# KiCad board kbd1.kicad_pcb
title: left; rev: v1.0.0; company: Unknown
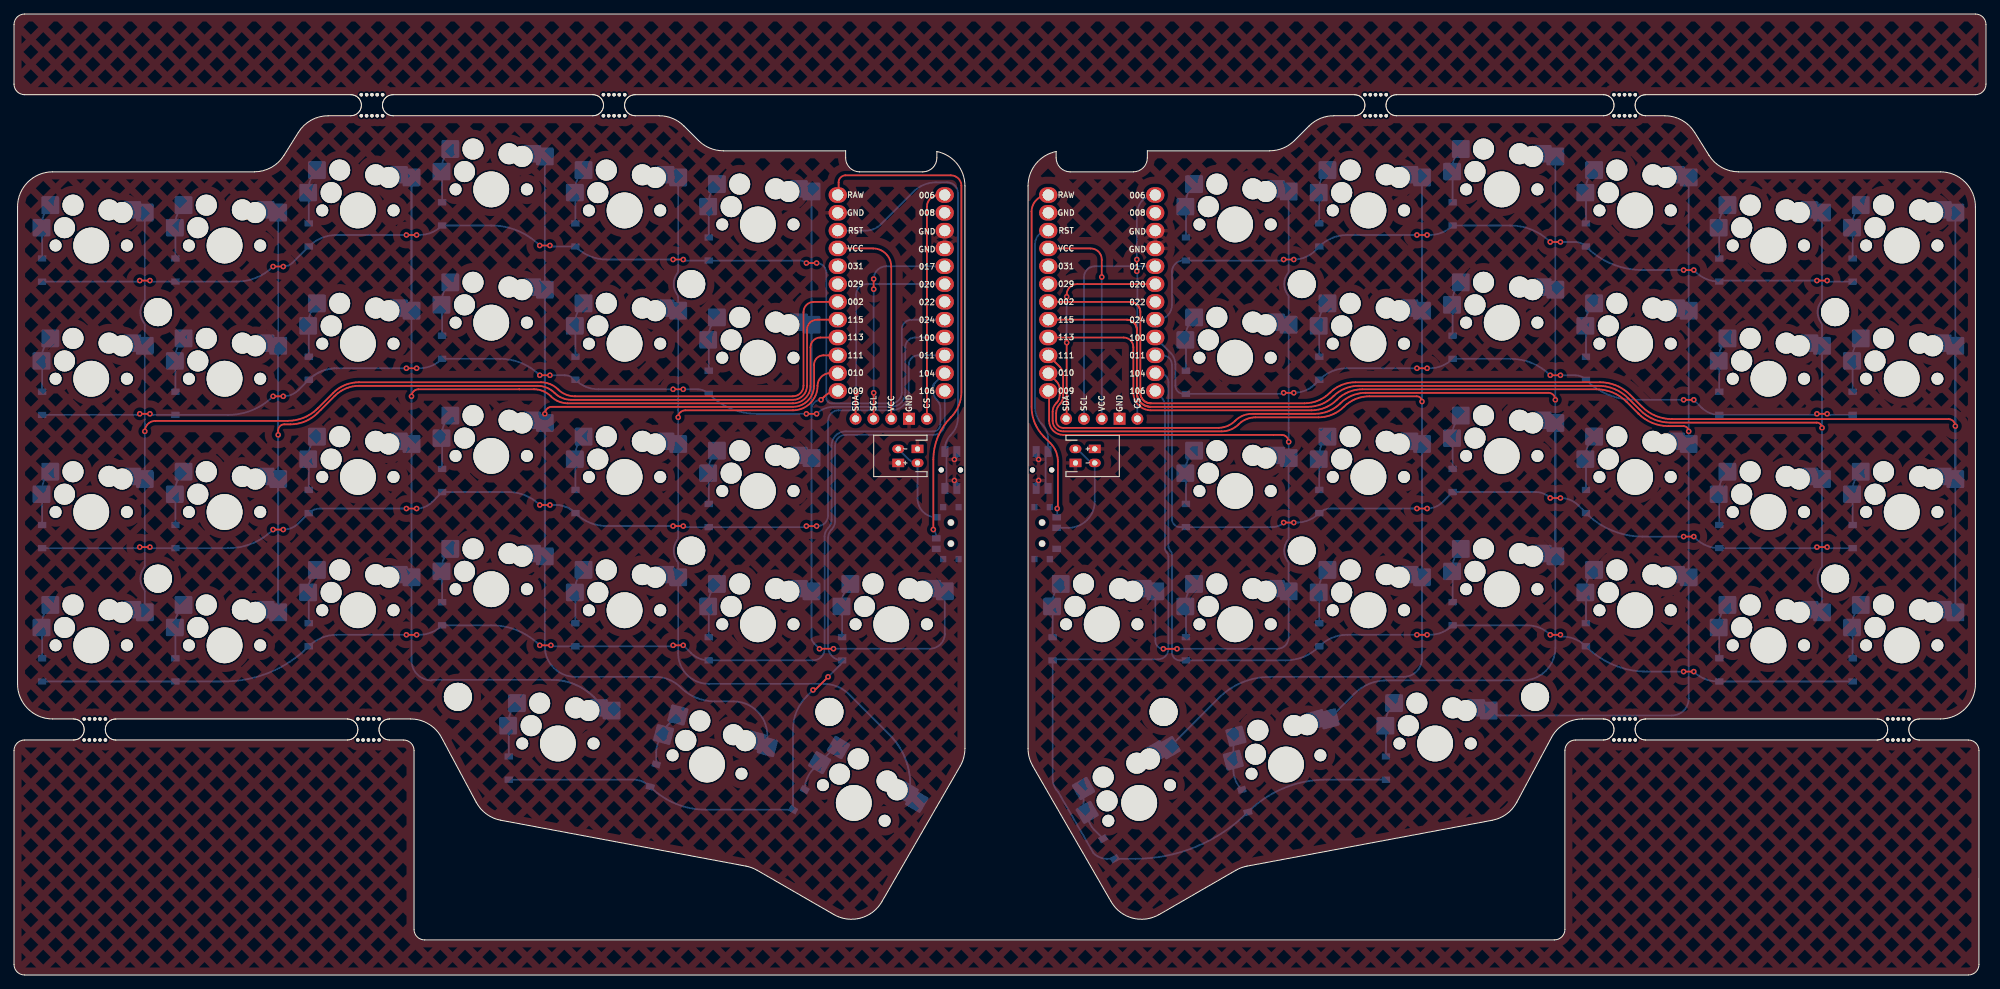
[diagram p0: board, top side]
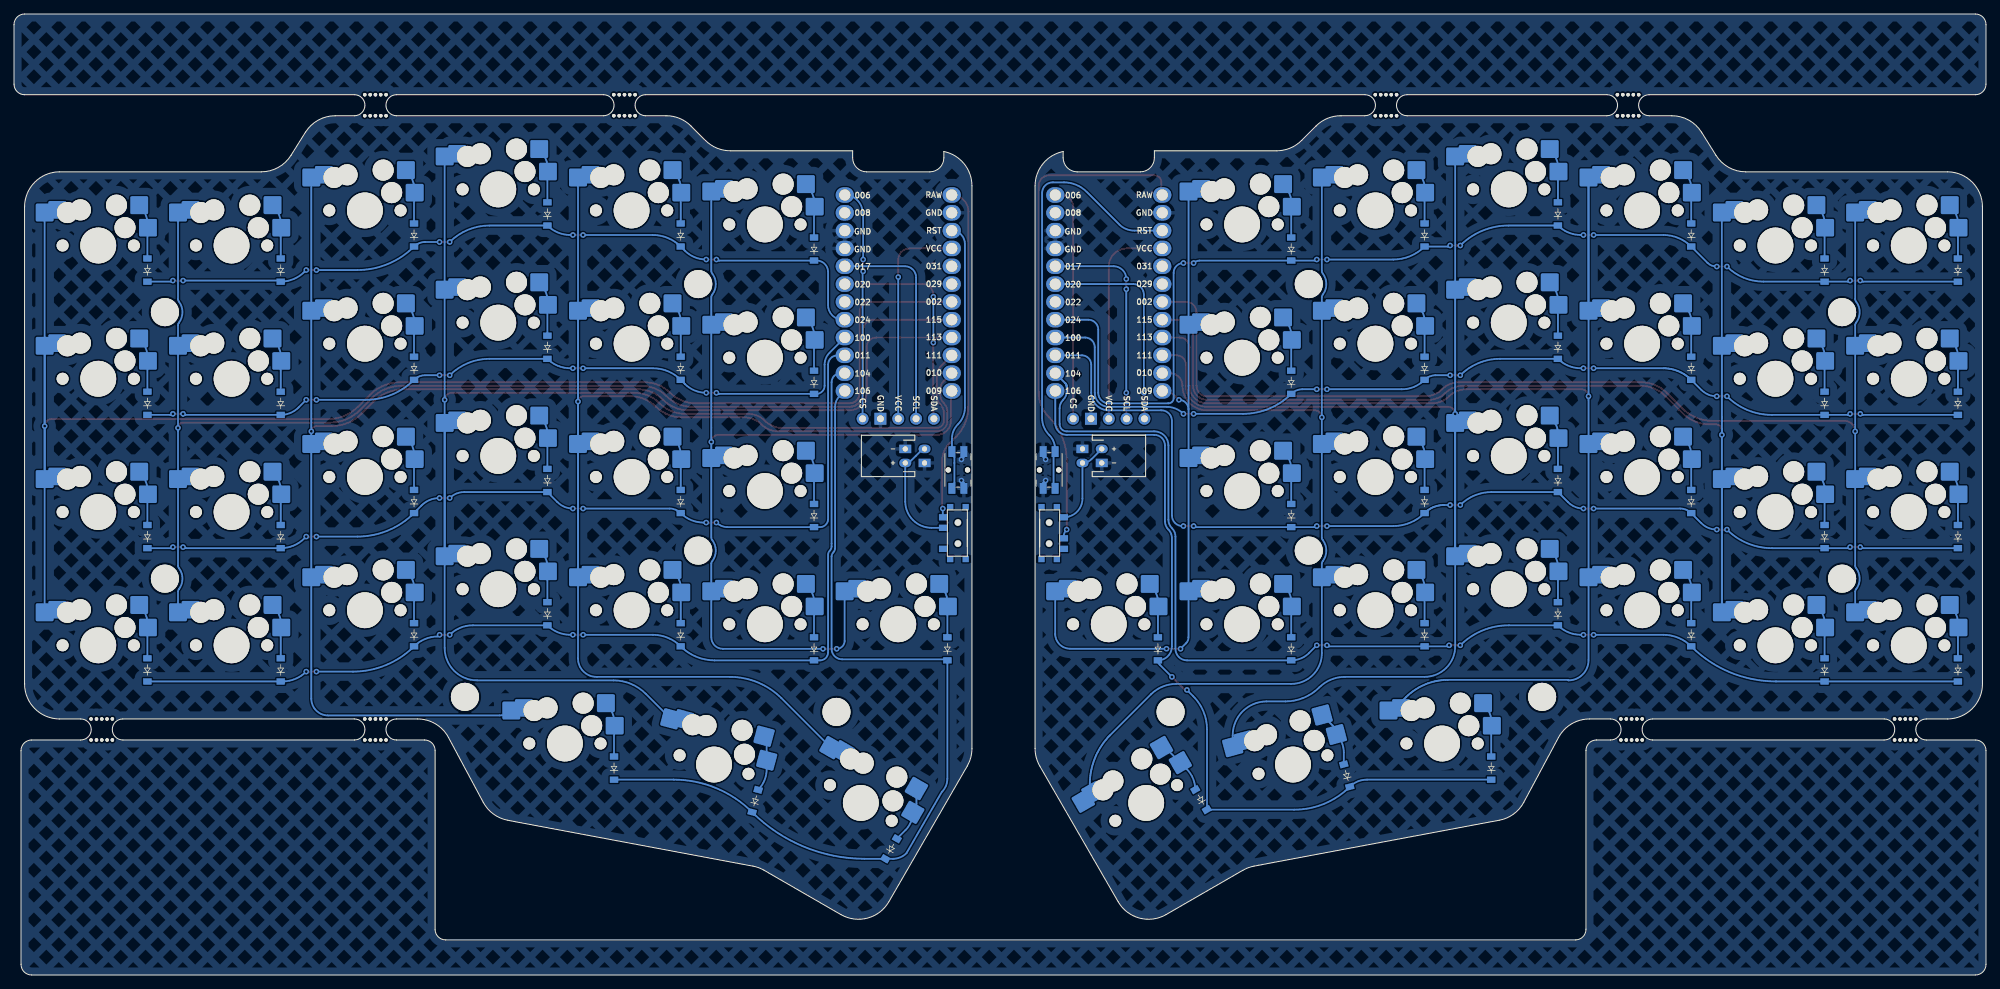
[diagram p1: board, bottom side, seen from below]

Outline 281 x 137 mm; copper layers: Top, Bottom. Coordinates in mm from the lower left corner of the outline.
Outline path: 56.5,36.5 53.5,36.5 arc(52,35) 53.5,33.5 55.5,33.5 arc(56.56,33.06) 57,32 57,6.5 arc(57.44,5.44) 58.5,5 219.5,5 arc(220.56,5.44) 221,6.5 221,32 arc(221.44,33.06) 222.5,33.5 226.5,33.5 arc(228,35) 226.5,36.5 223.49,36.5 arc(220.93,35.79) 219.09,33.86 214.13,24.61 arc(212.68,22.94) 210.64,22.06 175.7,15.52 arc(174.89,15.29) 174.12,14.93 163.17,8.61 arc(159.38,8.11) 156.34,10.44 145.17,29.79 arc(144.67,30.99) 144.5,32.29 144.5,112.5 arc(145.63,115.66) 148.5,117.4 148.5,116.5 arc(149.09,115.09) 150.5,114.5 159.5,114.5 arc(160.91,115.09) 161.5,116.5 161.5,117.5 178.93,117.5 arc(180.84,117.88) 182.46,118.96 184.54,121.04 arc(186.16,122.12) 188.07,122.5 191,122.5 arc(192.5,124) 191,125.5 88.5,125.5 arc(87,124) 88.5,122.5 91.93,122.5 arc(93.84,122.12) 95.46,121.04 97.54,118.96 arc(99.16,117.88) 101.07,117.5 118.5,117.5 118.5,116.5 arc(119.09,115.09) 120.5,114.5 129.5,114.5 arc(130.91,115.09) 131.5,116.5 131.5,117.4 arc(134.37,115.66) 135.5,112.5 135.5,32.29 arc(135.33,30.99) 134.83,29.79 123.66,10.44 arc(120.62,8.11) 116.83,8.61 105.88,14.93 arc(105.11,15.29) 104.3,15.52 69.36,22.06 arc(67.32,22.94) 65.87,24.61 60.91,33.86 arc(59.07,35.79) 56.51,36.5 ; 0,135.5 arc(0.44,136.56) 1.5,137 279.5,137 arc(280.56,136.56) 281,135.5 281,127 arc(280.56,125.94) 279.5,125.5 232.5,125.5 arc(231,124) 232.5,122.5 235.23,122.5 arc(237.65,121.87) 239.47,120.15 241.53,116.85 arc(243.35,115.13) 245.77,114.5 274.5,114.5 arc(278.04,113.04) 279.5,109.5 279.5,41.5 arc(278.04,37.96) 274.5,36.5 271.5,36.5 arc(270,35) 271.5,33.5 278.5,33.5 arc(279.56,33.06) 280,32 280,1.5 arc(279.56,0.44) 278.5,0 1.5,0 arc(0.44,0.44) 0,1.5 0,32 arc(0.44,33.06) 1.5,33.5 8.5,33.5 arc(10,35) 8.5,36.5 5.5,36.5 arc(1.96,37.96) 0.5,41.5 0.5,109.5 arc(1.96,113.04) 5.5,114.5 34.23,114.5 arc(36.65,115.13) 38.47,116.85 40.53,120.15 arc(42.35,121.87) 44.77,122.5 48,122.5 arc(49.5,124) 48,125.5 1.5,125.5 arc(0.44,125.94) 0,127 0,135.5 ; 14.5,36.5 47.5,36.5 arc(49,35) 47.5,33.5 14.5,33.5 arc(13,35) 14.5,36.5 ; 54,122.5 arc(52.5,124) 54,125.5 82.5,125.5 arc(84,124) 82.5,122.5 54,122.5 ; 197,122.5 arc(195.5,124) 197,125.5 226.5,125.5 arc(228,124) 226.5,122.5 197,122.5 ; 232.5,33.5 arc(231,35) 232.5,36.5 265.5,36.5 arc(267,35) 265.5,33.5 232.5,33.5

## Placement (name value [footprint] x y rotation side)
B1  -  [Panasonic_EVQPUL_EVQPUC]  133.5 72 270 top
B2  -  [Panasonic_EVQPUL_EVQPUC]  146.5 72 90 top
D1  -  [ComboDiode]  4 43.5 90 top
D2  -  [ComboDiode]  4 62.5 90 top
D3  -  [ComboDiode]  4 81.5 90 top
D4  -  [ComboDiode]  4 100.5 90 top
D5  -  [ComboDiode]  23 43.5 90 top
D6  -  [ComboDiode]  23 62.5 90 top
D7  -  [ComboDiode]  23 81.5 90 top
D8  -  [ComboDiode]  23 100.5 90 top
D9  -  [ComboDiode]  42 48.5 90 top
D10  -  [ComboDiode]  42 67.5 90 top
D11  -  [ComboDiode]  42 86.5 90 top
D12  -  [ComboDiode]  42 105.5 90 top
D13  -  [ComboDiode]  61 51.5 90 top
D14  -  [ComboDiode]  61 70.5 90 top
D15  -  [ComboDiode]  61 89.5 90 top
D16  -  [ComboDiode]  61 108.5 90 top
D17  -  [ComboDiode]  80 48.5 90 top
D18  -  [ComboDiode]  80 67.5 90 top
D19  -  [ComboDiode]  80 86.5 90 top
D20  -  [ComboDiode]  80 105.5 90 top
D21  -  [ComboDiode]  99 46.5 90 top
D22  -  [ComboDiode]  99 65.5 90 top
D23  -  [ComboDiode]  99 84.5 90 top
D24  -  [ComboDiode]  99 103.5 90 top
D25  -  [ComboDiode]  70.5 29.5 90 top
D26  -  [ComboDiode]  91.08 28.43 75 top
D27  -  [ComboDiode]  111.86 24.99 60 top
D28  -  [ComboDiode]  118 46.5 90 top
D29  -  [ComboDiode]  262 43.5 90 top
D30  -  [ComboDiode]  262 62.5 90 top
D31  -  [ComboDiode]  262 81.5 90 top
D32  -  [ComboDiode]  262 100.5 90 top
D33  -  [ComboDiode]  243 43.5 90 top
D34  -  [ComboDiode]  243 62.5 90 top
D35  -  [ComboDiode]  243 81.5 90 top
D36  -  [ComboDiode]  243 100.5 90 top
D37  -  [ComboDiode]  224 48.5 90 top
D38  -  [ComboDiode]  224 67.5 90 top
D39  -  [ComboDiode]  224 86.5 90 top
D40  -  [ComboDiode]  224 105.5 90 top
D41  -  [ComboDiode]  205 51.5 90 top
D42  -  [ComboDiode]  205 70.5 90 top
D43  -  [ComboDiode]  205 89.5 90 top
D44  -  [ComboDiode]  205 108.5 90 top
D45  -  [ComboDiode]  186 48.5 90 top
D46  -  [ComboDiode]  186 67.5 90 top
D47  -  [ComboDiode]  186 86.5 90 top
D48  -  [ComboDiode]  186 105.5 90 top
D49  -  [ComboDiode]  167 46.5 90 top
D50  -  [ComboDiode]  167 65.5 90 top
D51  -  [ComboDiode]  167 84.5 90 top
D52  -  [ComboDiode]  167 103.5 90 top
D53  -  [ComboDiode]  195.5 29.5 90 top
D54  -  [ComboDiode]  175.39 24.81 105 top
D55  -  [ComboDiode]  156.02 17.99 120 top
D56  -  [ComboDiode]  148 46.5 90 top
JST1  -  [JST_PH_S2B-PH-K_02x2.00mm_Angled]  128.75 74 270 top
JST2  -  [JST_PH_S2B-PH-K_02x2.00mm_Angled#2]  126 74 270 bottom
JST3  -  [JST_PH_S2B-PH-K_02x2.00mm_Angled]  151.25 74 90 top
JST4  -  [JST_PH_S2B-PH-K_02x2.00mm_Angled#2]  154 74 90 bottom
MCU1  -  [nice_nano_low_profile]  125 98.5 0 top
MCU2  -  [nice_nano_low_profile]  155 98.5 0 top
mouse-bite-3mm-slot  VAL**  [mouse-bite-3mm-slot]  268.5 35 0 top
mouse-bite-3mm-slot#2  VAL**  [mouse-bite-3mm-slot]  229.5 124 0 top
mouse-bite-3mm-slot#3  VAL**  [mouse-bite-3mm-slot]  194.01 124 0 top
mouse-bite-3mm-slot#4  VAL**  [mouse-bite-3mm-slot]  51 124 0 top
mouse-bite-3mm-slot#5  VAL**  [mouse-bite-3mm-slot]  50.5 35 0 top
mouse-bite-3mm-slot#6  VAL**  [mouse-bite-3mm-slot]  11.5 35 0 top
mouse-bite-3mm-slot#7  VAL**  [mouse-bite-3mm-slot]  85.5 124 0 top
mouse-bite-3mm-slot#8  VAL**  [mouse-bite-3mm-slot]  229.5 35 0 top
niceView1  niceView  [niceView_headers]  125 78 90 top
niceView2  niceView  [niceView_headers]  155 78 90 top
NOREF  -  [HOLE_M2_TH]  63.25 39.65 0 top
NOREF#2  -  [HOLE_M2_TH]  96.5 98.5 0 top
NOREF#3  -  [HOLE_M2_TH]  183.5 98.5 0 top
NOREF#4  -  [HOLE_M2_TH]  259.5 56.5 0 top
NOREF#5  -  [HOLE_M2_TH]  96.5 60.5 0 top
NOREF#6  -  [HOLE_M2_TH]  216.75 39.65 0 top
NOREF#7  -  [HOLE_M2_TH]  259.5 94.5 0 top
NOREF#8  -  [HOLE_M2_TH]  163.81 37.5 30 top
NOREF#9  -  [HOLE_M2_TH]  20.5 56.5 0 top
NOREF#10  -  [HOLE_M2_TH]  20.5 94.5 0 top
NOREF#11  -  [HOLE_M2_TH]  116.19 37.5 330 top
NOREF#12  -  [HOLE_M2_TH]  183.5 60.5 0 top
S1  -  [KS33-MX-Hotswap]  11 47 0 top
S2  -  [KS33-MX-Hotswap]  11 66 0 top
S3  -  [KS33-MX-Hotswap]  11 85 0 top
S4  -  [KS33-MX-Hotswap]  11 104 0 top
S5  -  [KS33-MX-Hotswap]  30 47 0 top
S6  -  [KS33-MX-Hotswap]  30 66 0 top
S7  -  [KS33-MX-Hotswap]  30 85 0 top
S8  -  [KS33-MX-Hotswap]  30 104 0 top
S9  -  [KS33-MX-Hotswap]  49 52 0 top
S10  -  [KS33-MX-Hotswap]  49 71 0 top
S11  -  [KS33-MX-Hotswap]  49 90 0 top
S12  -  [KS33-MX-Hotswap]  49 109 0 top
S13  -  [KS33-MX-Hotswap]  68 55 0 top
S14  -  [KS33-MX-Hotswap]  68 74 0 top
S15  -  [KS33-MX-Hotswap]  68 93 0 top
S16  -  [KS33-MX-Hotswap]  68 112 0 top
S17  -  [KS33-MX-Hotswap]  87 52 0 top
S18  -  [KS33-MX-Hotswap]  87 71 0 top
S19  -  [KS33-MX-Hotswap]  87 90 0 top
S20  -  [KS33-MX-Hotswap]  87 109 0 top
S21  -  [KS33-MX-Hotswap]  106 50 0 top
S22  -  [KS33-MX-Hotswap]  106 69 0 top
S23  -  [KS33-MX-Hotswap]  106 88 0 top
S24  -  [KS33-MX-Hotswap]  106 107 0 top
S25  -  [KS33-MX-Hotswap]  77.5 33 0 top
S26  -  [KS33-MX-Hotswap]  98.75 30 345 top
S27  -  [KS33-MX-Hotswap]  119.67 24.53 330 top
S28  -  [KS33-MX-Hotswap]  125 50 0 top
S29  -  [KS33-MX-Hotswap]  269 47 0 top
S30  -  [KS33-MX-Hotswap]  269 66 0 top
S31  -  [KS33-MX-Hotswap]  269 85 0 top
S32  -  [KS33-MX-Hotswap]  269 104 0 top
S33  -  [KS33-MX-Hotswap]  250 47 0 top
S34  -  [KS33-MX-Hotswap]  250 66 0 top
S35  -  [KS33-MX-Hotswap]  250 85 0 top
S36  -  [KS33-MX-Hotswap]  250 104 0 top
S37  -  [KS33-MX-Hotswap]  231 52 0 top
S38  -  [KS33-MX-Hotswap]  231 71 0 top
S39  -  [KS33-MX-Hotswap]  231 90 0 top
S40  -  [KS33-MX-Hotswap]  231 109 0 top
S41  -  [KS33-MX-Hotswap]  212 55 0 top
S42  -  [KS33-MX-Hotswap]  212 74 0 top
S43  -  [KS33-MX-Hotswap]  212 93 0 top
S44  -  [KS33-MX-Hotswap]  212 112 0 top
S45  -  [KS33-MX-Hotswap]  193 52 0 top
S46  -  [KS33-MX-Hotswap]  193 71 0 top
S47  -  [KS33-MX-Hotswap]  193 90 0 top
S48  -  [KS33-MX-Hotswap]  193 109 0 top
S49  -  [KS33-MX-Hotswap]  174 50 0 top
S50  -  [KS33-MX-Hotswap]  174 69 0 top
S51  -  [KS33-MX-Hotswap]  174 88 0 top
S52  -  [KS33-MX-Hotswap]  174 107 0 top
S53  -  [KS33-MX-Hotswap]  202.5 33 0 top
S54  -  [KS33-MX-Hotswap]  181.25 30 15 top
S55  -  [KS33-MX-Hotswap]  160.33 24.53 30 top
S56  -  [KS33-MX-Hotswap]  155 50 0 top
T1  -  [SPDT_C128955]  133.5 63 270 top
T2  -  [SPDT_C128955]  146.5 63 90 top

## Footprints (pads in the part's own frame, mm; a bottom-side part is the same pattern mirrored in y, then rotated)
ComboDiode
  rect 0.9x1.2 smd far side: 1(-1.65,0) 2(1.65,0)
HOLE_M2_TH
  round 4 hole 4 unplated: (0,0)
JST_PH_S2B-PH-K_02x2.00mm_Angled
  rect 1.2x1.7 hole 0.75: 1(-1,0)
  oval 1.2x1.7 hole 0.75: 2(1,0)
JST_PH_S2B-PH-K_02x2.00mm_Angled#2
  oval 1.2x1.7 hole 0.75: 1(-1,0)
  rect 1.2x1.7 hole 0.75: 2(1,0)
KS33-MX-Hotswap
  round 1.702 hole 1.702 unplated: (-5.08,0) (5.08,0)
  round 3 hole 3 unplated: (-3.81,2.54) (-2.6,5.75) (2.54,5.08) (4.4,4.7)
  round 5.1 hole 5.1 unplated: (0,0)
  rrect 2.55x2.5 smd far side: 1(5.842,5.08) 2(-7.085,2.54)
  rrect 2.55x2.55 smd far side: 1(7.638,4.7) 2(-5.838,5.75)
mouse-bite-3mm-slot
  round 0.5 hole 0.5 unplated: (-1.512,1.5) (-1.512,-1.5) (-0.762,-1.5) (-0.75,1.5) (0,1.5) (0,-1.5) (0.75,1.5) (0.75,-1.5) (1.524,1.5) (1.524,-1.5)
nice_nano_low_profile
  oval 2.6x2.2 hole 1.6: 1(-7.62,12.7) 2(-7.62,10.16) 3(-7.62,7.62) 4(-7.62,5.08) 5(-7.62,2.54) 6(-7.62,0) 7(-7.62,-2.54) 8(-7.62,-5.08) 9(-7.62,-7.62) 10(-7.62,-10.16) 11(-7.62,-12.7) 12(-7.62,-15.24) 13(7.62,12.7) 14(7.62,10.16) 15(7.62,7.62) 16(7.62,5.08) 17(7.62,2.54) 18(7.62,0) 19(7.62,-2.54) 20(7.62,-5.08) 21(7.62,-7.62) 22(7.62,-10.16) 23(7.62,-12.7) 24(7.62,-15.24)
niceView_headers
  oval 1.7x1.7 hole 1: 1(1.3,-5.08) 3(1.3,0) 4(1.3,2.54) 5(1.3,5.08)
  rect 1.7x1.7 hole 1: 2(1.3,-2.54)
Panasonic_EVQPUL_EVQPUC
  round 0.75 hole 0.75 unplated: (0,1.375) (0,-1.375)
  rect 1.55x1 smd far side: 1(-2.625,0.85) 1(2.625,0.85) 2(-2.625,-0.85) 2(2.625,-0.85)
SPDT_C128955
  rect 0.9x0.9 smd far side: (-3.7,1.1) (-3.7,-1.1) (3.7,1.1) (3.7,-1.1)
  round 1 hole 0.9 unplated: (-1.5,0) (1.5,0)
  rect 0.9x1.25 smd far side: 1(-2.25,-2.075) 2(0.75,-2.075) 3(2.25,-2.075)

## Nets
GND: B1.1 B2.1 JST1.1 JST2.2 JST3.1 JST4.2 MCU1.2 MCU1.15 MCU1.16 MCU2.2 MCU2.15 MCU2.16 niceView1.2 niceView2.2
VCC: MCU1.4 MCU2.4 niceView1.3 niceView2.3
far_thumb: D27.2 S27.2
home_thumb: D26.2 S26.2
index_bottom: D18.2 S18.2
index_home: D19.2 S19.2
index_mod: D17.2 S17.2
index_top: D20.2 S20.2
inner_bottom: D22.2 S22.2
inner_home: D23.2 S23.2
inner_mod: D21.2 S21.2
inner_top: D24.2 S24.2
middle_bottom: D14.2 S14.2
middle_home: D15.2 S15.2
middle_mod: D13.2 S13.2
middle_top: D16.2 S16.2
mirror_far_thumb: D55.2 S55.2
mirror_home_thumb: D54.2 S54.2
mirror_index_bottom: D46.2 S46.2
mirror_index_home: D47.2 S47.2
mirror_index_mod: D45.2 S45.2
mirror_index_top: D48.2 S48.2
mirror_inner_bottom: D50.2 S50.2
mirror_inner_home: D51.2 S51.2
mirror_inner_mod: D49.2 S49.2
mirror_inner_top: D52.2 S52.2
mirror_middle_bottom: D42.2 S42.2
mirror_middle_home: D43.2 S43.2
mirror_middle_mod: D41.2 S41.2
mirror_middle_top: D44.2 S44.2
mirror_near_thumb: D53.2 S53.2
mirror_outer_bottom: D30.2 S30.2
mirror_outer_home: D31.2 S31.2
mirror_outer_mod: D29.2 S29.2
mirror_outer_top: D32.2 S32.2
mirror_pinky_bottom: D34.2 S34.2
mirror_pinky_home: D35.2 S35.2
mirror_pinky_mod: D33.2 S33.2
mirror_pinky_top: D36.2 S36.2
mirror_ring_bottom: D38.2 S38.2
mirror_ring_home: D39.2 S39.2
mirror_ring_mod: D37.2 S37.2
mirror_ring_top: D40.2 S40.2
mirror_top_thumb: D56.2 S56.2
near_thumb: D25.2 S25.2
outer_bottom: D2.2 S2.2
outer_home: D3.2 S3.2
outer_mod: D1.2 S1.2
outer_top: D4.2 S4.2
P002: MCU1.7 MCU2.7 S1.1 S2.1 S3.1 S4.1 S29.1 S30.1 S31.1 S32.1
P006: MCU1.13 MCU2.13 niceView1.1 niceView2.1
P008: MCU1.14 MCU2.14
P009: MCU1.12 MCU2.12 S21.1 S22.1 S23.1 S24.1 S28.1 S49.1 S50.1 S51.1 S52.1 S56.1
P010: MCU1.11 MCU2.11 S17.1 S18.1 S19.1 S20.1 S27.1 S45.1 S46.1 S47.1 S48.1 S55.1
P011: D2.1 D6.1 D10.1 D14.1 D18.1 D22.1 D30.1 D34.1 D38.1 D42.1 D46.1 D50.1 MCU1.22 MCU2.22
P017: MCU1.17 MCU2.17 niceView1.4 niceView2.4
P020: MCU1.18 MCU2.18 niceView1.5 niceView2.5
P022: MCU1.19 MCU2.19
P024: D4.1 D8.1 D12.1 D16.1 D20.1 D24.1 D32.1 D36.1 D40.1 D44.1 D48.1 D52.1 MCU1.20 MCU2.20
P029: MCU1.6 MCU2.6
P031: MCU1.5 MCU2.5
P100: D3.1 D7.1 D11.1 D15.1 D19.1 D23.1 D31.1 D35.1 D39.1 D43.1 D47.1 D51.1 MCU1.21 MCU2.21
P104: D1.1 D5.1 D9.1 D13.1 D17.1 D21.1 D29.1 D33.1 D37.1 D41.1 D45.1 D49.1 MCU1.23 MCU2.23
P106: D25.1 D26.1 D27.1 D28.1 D53.1 D54.1 D55.1 D56.1 MCU1.24 MCU2.24
P111: MCU1.10 MCU2.10 S13.1 S14.1 S15.1 S16.1 S26.1 S41.1 S42.1 S43.1 S44.1 S54.1
P113: MCU1.9 MCU2.9 S9.1 S10.1 S11.1 S12.1 S25.1 S37.1 S38.1 S39.1 S40.1 S53.1
P115: MCU1.8 MCU2.8 S5.1 S6.1 S7.1 S8.1 S33.1 S34.1 S35.1 S36.1
pinky_bottom: D6.2 S6.2
pinky_home: D7.2 S7.2
pinky_mod: D5.2 S5.2
pinky_top: D8.2 S8.2
pos: JST1.2 JST2.1 JST3.2 JST4.1 T1.1 T2.2
RAW: MCU1.1 MCU2.1 T1.2 T2.3
ring_bottom: D10.2 S10.2
ring_home: D11.2 S11.2
ring_mod: D9.2 S9.2
ring_top: D12.2 S12.2
RST: B1.2 B2.2 MCU1.3 MCU2.3
top_thumb: D28.2 S28.2

Pads without a net: T1 3; T2 1

## Via types
v1: diameter 0.8, hole 0.4, Top to Bottom, 111 vias

## Routing (per net, layer and track width the routed paths; a pad name or vN(x,y) marks a point on that pad's centre or on a via; arc(x,y) is an arc through that point)
GND: length 5.3
  Bottom w0.25: v1(134,73.5) 134.35,73.85 B1.1 ; v1(146,73.5) 145.65,73.85 B2.1 ; B2.1 145.65,70.15 v1(146,70.5) ; v1(134,70.5) 134.35,70.15 B1.1 ; 132.5,106 arc(132.58,106.04) MCU1.15
VCC: length 62.1
  Top w0.25: v1(155,99.5) 155,102 arc(154.54,103.12) 153.42,103.58 MCU2.4 ; 117.38,103.51 MCU1.4 122.42,103.58 arc(124.24,102.82) 125,101 niceView1.3
  Bottom w0.25: niceView2.3 v1(155,99.5)
far_thumb: length 8.1
  Bottom w0.25: S27.2 arc(117,32.33) 116.58,32.05 S27.2 113.9,29.36 arc(113,28.01) D27.2
home_thumb: length 8.1
  Bottom w0.25: D26.2 91.51,31.74 arc(91.78,33.12) S26.2 arc(92.7,34.97) 93.09,35.55 S26.2
index_bottom: length 8
  Bottom w0.25: D18.2 80,73.33 arc(79.98,73.45) S18.2 79.92,73.74 arc(80.24,75.37) S18.2
index_home: length 8
  Bottom w0.25: D19.2 80,92.33 arc(79.98,92.45) S19.2 79.92,92.74 arc(80.24,94.37) S19.2
index_mod: length 8
  Bottom w0.25: D17.2 80,54.33 arc(79.98,54.45) S17.2 79.92,54.74 arc(80.24,56.37) S17.2
index_top: length 8
  Bottom w0.25: D20.2 80,111.33 arc(79.98,111.45) S20.2 79.92,111.74 arc(80.24,113.37) S20.2
inner_bottom: length 8
  Bottom w0.25: D22.2 99,71.33 arc(98.98,71.45) S22.2 98.92,71.74 arc(99.24,73.37) S22.2
inner_home: length 8.7
  Bottom w0.25: S23.2 98.92,90.74 arc(99.24,92.37) S23.2 ; S23.2 99,90.45 ; S23.2 arc(98.98,90.45) 99,90.33 D23.2 ; S23.2 arc(98.98,90.45) 99,90.34 ; D23.2 99,86.17 ; D23.2 99,86.17 ; D23.2 arc(98.94,86.24) 98.92,86.36 ; 99,86.17 98.92,86.26
inner_mod: length 8
  Bottom w0.25: D21.2 99,52.33 arc(98.98,52.45) S21.2 98.92,52.74 arc(99.24,54.37) S21.2
inner_top: length 8
  Bottom w0.25: D24.2 99,109.33 arc(98.98,109.45) S24.2 98.92,109.74 arc(99.24,111.37) S24.2
middle_bottom: length 8
  Bottom w0.25: D14.2 61,76.33 arc(60.98,76.45) S14.2 60.92,76.74 arc(61.24,78.37) S14.2
middle_home: length 8
  Bottom w0.25: D15.2 61,95.33 arc(60.98,95.45) S15.2 60.92,95.74 arc(61.24,97.37) S15.2
middle_mod: length 8
  Bottom w0.25: D13.2 61,57.33 arc(60.98,57.45) S13.2 60.92,57.74 arc(61.24,59.37) S13.2
middle_top: length 8
  Bottom w0.25: D16.2 61,114.33 arc(60.98,114.45) S16.2 60.92,114.74 arc(61.24,116.37) S16.2
mirror_far_thumb: length 8.1
  Bottom w0.25: D55.2 153.98,20.64 arc(153.2,21.81) S55.2 arc(152.54,23.76) 152.4,24.45 S55.2
mirror_home_thumb: length 8.1
  Bottom w0.25: D54.2 arc(174.07,27.75) 173.75,29.34 S54.2 173.75,33.14 arc(173.85,33.63) S54.2
mirror_index_bottom: length 8
  Bottom w0.25: D46.2 186,73.33 arc(185.98,73.45) S46.2 185.92,73.74 arc(186.24,75.37) S46.2
mirror_index_home: length 8
  Bottom w0.25: D47.2 186,92.33 arc(185.98,92.45) S47.2 185.92,92.74 arc(186.24,94.37) S47.2
mirror_index_mod: length 8
  Bottom w0.25: D45.2 186,54.33 arc(185.98,54.45) S45.2 185.92,54.74 arc(186.24,56.37) S45.2
mirror_index_top: length 8
  Bottom w0.25: D48.2 186,111.33 arc(185.98,111.45) S48.2 185.92,111.74 arc(186.24,113.37) S48.2
mirror_inner_bottom: length 8
  Bottom w0.25: D50.2 167,71.33 arc(166.98,71.45) S50.2 166.92,71.74 arc(167.24,73.37) S50.2
mirror_inner_home: length 8
  Bottom w0.25: D51.2 167,90.33 arc(166.98,90.45) S51.2 166.92,90.74 arc(167.24,92.37) S51.2
mirror_inner_mod: length 8
  Bottom w0.25: D49.2 167,52.33 arc(166.98,52.45) S49.2 166.92,52.74 arc(167.24,54.37) S49.2
mirror_inner_top: length 8
  Bottom w0.25: D52.2 167,109.33 arc(166.98,109.45) S52.2 166.92,109.74 arc(167.24,111.37) S52.2
mirror_middle_bottom: length 8.4
  Bottom w0.25: D42.2 205,76.33 arc(204.98,76.45) S42.2 ; D42.2 204.92,72.23 ; D42.2 arc(204.94,72.24) 204.92,72.36 ; 205,76.45 S42.2 ; S42.2 204.92,76.74 arc(205.24,78.37) S42.2
mirror_middle_home: length 8
  Bottom w0.25: D43.2 205,95.33 arc(204.98,95.45) S43.2 204.92,95.74 arc(205.24,97.37) S43.2
mirror_middle_mod: length 8
  Bottom w0.25: D41.2 205,57.33 arc(204.98,57.45) S41.2 204.92,57.74 arc(205.24,59.37) S41.2
mirror_middle_top: length 8
  Bottom w0.25: D44.2 205,114.33 arc(204.98,114.45) S44.2 204.92,114.74 arc(205.24,116.37) S44.2
mirror_near_thumb: length 8
  Bottom w0.25: D53.2 195.5,35.33 arc(195.48,35.45) S53.2 195.42,35.74 arc(195.74,37.37) S53.2
mirror_outer_bottom: length 8
  Bottom w0.25: D30.2 262,68.33 arc(261.98,68.45) S30.2 261.92,68.74 arc(262.24,70.37) S30.2
mirror_outer_home: length 8
  Bottom w0.25: D31.2 262,87.33 arc(261.98,87.45) S31.2 261.92,87.74 arc(262.24,89.37) S31.2
mirror_outer_mod: length 8
  Bottom w0.25: D29.2 262,49.33 arc(261.98,49.45) S29.2 261.92,49.74 arc(262.24,51.37) S29.2
mirror_outer_top: length 8
  Bottom w0.25: D32.2 262,106.33 arc(261.98,106.45) S32.2 261.92,106.74 arc(262.24,108.37) S32.2
mirror_pinky_bottom: length 8
  Bottom w0.25: D34.2 243,68.33 arc(242.98,68.45) S34.2 242.92,68.74 arc(243.24,70.37) S34.2
mirror_pinky_home: length 8
  Bottom w0.25: D35.2 243,87.33 arc(242.98,87.45) S35.2 242.92,87.74 arc(243.24,89.37) S35.2
mirror_pinky_mod: length 8
  Bottom w0.25: D33.2 243,49.33 arc(242.98,49.45) S33.2 242.92,49.74 arc(243.24,51.37) S33.2
mirror_pinky_top: length 8
  Bottom w0.25: D36.2 243,106.33 arc(242.98,106.45) S36.2 242.92,106.74 arc(243.24,108.37) S36.2
mirror_ring_bottom: length 8
  Bottom w0.25: D38.2 224,73.33 arc(223.98,73.45) S38.2 223.92,73.74 arc(224.24,75.37) S38.2
mirror_ring_home: length 8
  Bottom w0.25: D39.2 224,92.33 arc(223.98,92.45) S39.2 223.92,92.74 arc(224.24,94.37) S39.2
mirror_ring_mod: length 8
  Bottom w0.25: D37.2 224,54.33 arc(223.98,54.45) S37.2 223.92,54.74 arc(224.24,56.37) S37.2
mirror_ring_top: length 8
  Bottom w0.25: D40.2 224,111.33 arc(223.98,111.45) S40.2 223.92,111.74 arc(224.24,113.37) S40.2
mirror_top_thumb: length 8
  Bottom w0.25: D56.2 148,52.33 arc(147.98,52.45) S56.2 147.92,52.74 arc(148.24,54.37) S56.2
near_thumb: length 8
  Bottom w0.25: D25.2 70.5,35.33 arc(70.48,35.45) S25.2 70.42,35.74 arc(70.74,37.37) S25.2
outer_bottom: length 8
  Bottom w0.25: D2.2 4,68.33 arc(3.98,68.45) S2.2 3.92,68.74 arc(4.24,70.37) S2.2
outer_home: length 8
  Bottom w0.25: D3.2 4,87.33 arc(3.98,87.45) S3.2 3.92,87.74 arc(4.24,89.37) S3.2
outer_mod: length 8
  Bottom w0.25: D1.2 4,49.33 arc(3.98,49.45) S1.2 3.92,49.74 arc(4.24,51.37) S1.2
outer_top: length 8
  Bottom w0.25: D4.2 4,106.33 arc(3.98,106.45) S4.2 3.92,106.74 arc(4.24,108.37) S4.2
P002: length 393.5
  Top w0.25: MCU1.7 113.96,95.96 arc(112.93,95.53) 112.5,94.5 112.5,84 arc(112.06,82.94) 111,82.5 79.91,82.5 arc(78.61,82.76) 77.5,83.5 arc(76.39,84.24) 75.09,84.5 49.12,84.5 arc(47.16,84.11) 45.5,83 43.27,80.77 arc(41.31,79.46) 39,79 20.14,79 arc(19.08,78.56) v1(18.64,77.5) ; MCU2.7 159.04,95.96 159.09,95.96 159.2,95.95 159.31,95.94 159.42,95.91 159.52,95.88 159.62,95.84 159.72,95.79 159.82,95.74 159.91,95.68 159.99,95.61 160.07,95.53 160.15,95.45 160.22,95.37 160.28,95.28 160.33,95.18 160.38,95.08 160.42,94.98 160.45,94.88 160.48,94.77 160.49,94.66 160.5,94.55 160.5,94.5 160.5,83 160.5,82.95 160.51,82.84 160.52,82.73 160.55,82.63 160.58,82.53 160.61,82.43 160.66,82.33 160.71,82.23 160.77,82.14 160.83,82.06 160.9,81.98 160.98,81.9 161.06,81.83 161.14,81.77 161.23,81.71 161.33,81.66 161.43,81.61 161.53,81.58 161.63,81.55 161.73,81.52 161.84,81.51 161.95,81.5 162,81.5 183.88,81.5 arc(185.84,81.89) 187.5,83 arc(189.16,84.11) 191.12,84.5 226,84.5 arc(228.31,84.04) 230.27,82.73 231.98,81.02 arc(233.94,79.71) 236.25,79.25 275.64,79.25 arc(276.34,78.96) v1(276.64,78.25)
  Bottom w0.25: S31.1 v1(276.64,78.25) S30.1 ; S3.1 18.64,89.75 ; S3.1 v1(18.64,77.5) S2.1 ; S3.1 18.64,92.67 arc(18.6,92.85) 18.5,93 arc(18,94.5) 18.5,96 arc(18.6,96.15) 18.64,96.33 S4.1 ; S2.1 18.64,58.33 arc(18.6,58.15) 18.5,58 arc(18,56.5) 18.5,55 arc(18.6,54.85) 18.64,54.67 S1.1 ; S2.1 18.66,70.68 18.7,70.62 18.74,70.57 18.77,70.51 ; S30.1 S32.1 ; S30.1 S29.1
P006: length 67.5
  Top w0.25: v1(160,100.31) v1(160,102) ; niceView1.1 130.08,109.5 arc(130.58,110.7) 131.78,111.2 MCU1.13 132.53,111.11
  Bottom w0.25: 160,79.38 niceView2.1 160.08,100.12 arc(160.06,100.23) v1(160,100.31) arc(160.06,100.29) 160.08,100.23 ; v1(160,102) 160,108.58 arc(160.02,108.64) 160.08,108.66 arc(160.82,110.46) MCU2.13
P009: length 228.5
  Top w0.25: 117.24,83.26 MCU1.12 arc(116.35,83.05) 115.47,82.47 v1(115,82) ; v1(165.73,46.5) v1(163.78,46.5) ; v1(114.78,46.5) arc(114.79,46.51) 114.8,46.51 116.76,46.51 v1(116.77,46.51) arc(116.76,46.5) 116.74,46.5 ; v1(181.64,76) arc(181.34,76.71) 180.64,77 149.5,77 arc(148.09,77.59) 147.5,79 147.5,82.97 arc(147.47,83.13) MCU2.12 arc(147.46,83.22) 147.5,83.14
  Bottom w0.25: 113.64,80.64 S23.1 S24.1 ; 113.64,80.64 S22.1 S21.1 113.64,48.14 arc(113.73,47.68) 113.99,47.28 v1(114.78,46.5) ; 113.64,80.64 arc(114.04,81.6) v1(115,82) ; S52.1 181.64,100.33 arc(181.6,100.15) 181.5,100 arc(181,98.5) 181.5,97 arc(181.6,96.85) 181.64,96.67 S51.1 v1(181.64,76) S50.1 181.64,62.33 arc(181.6,62.15) 181.5,62 arc(181,60.5) 181.5,59 arc(181.6,58.85) 181.64,58.67 S49.1 181.64,48.14 arc(181.16,46.98) 180,46.5 v1(165.73,46.5) ; S56.1 162.64,47.64 arc(162.97,46.83) v1(163.78,46.5) ; 132.63,48.5 132.63,54.69 arc(132.63,54.7) S28.1 arc(132.54,54.55) 132.5,54.37 ; v1(116.77,46.51) 130.51,46.51 arc(132.02,47.13) 132.64,48.64
P010: length 371.9
  Top w0.25: MCU2.11 148.52,84.66 arc(148.88,84.13) 149,83.5 arc(149,83.49) 149.01,83.49 149.01,82.67 arc(148.88,82.06) 148.53,81.53 148.5,81.5 arc(148.13,80.95) 148,80.29 148,79 arc(148.44,77.94) 149.5,77.5 172.09,77.5 arc(173.39,77.76) 174.5,78.5 arc(175.61,79.24) 176.91,79.5 185.88,79.5 arc(187.84,79.89) 189.5,81 arc(191.16,82.11) 193.12,82.5 199.89,82.5 arc(200.42,82.28) v1(200.64,81.75) ; MCU2.11 147.38,85.48 ; MCU2.11 148.18,85 ; MCU1.11 116.3,85.8 arc(115.03,85.27) 114.5,84 arc(113.47,81.53) 111,80.5 95.64,80.5 arc(94.93,80.21) v1(94.64,79.5)
  Bottom w0.25: S20.1 94.64,100.33 arc(94.6,100.15) 94.5,100 arc(94,98.5) 94.5,97 arc(94.6,96.85) 94.64,96.67 S19.1 v1(94.64,79.5) S18.1 94.64,62.33 arc(94.6,62.15) 94.5,62 arc(94,60.5) 94.5,59 arc(94.6,58.85) 94.64,58.67 S17.1 94.64,45.86 arc(95.92,42.78) 99,41.5 115.38,41.5 arc(117.34,41.11) 119,40 124.79,34.21 124.89,34.11 125.08,33.91 125.26,33.7 125.44,33.49 125.62,33.27 125.79,33.05 125.95,32.82 126.1,32.59 126.25,32.35 126.39,32.11 126.53,31.87 126.66,31.62 126.78,31.37 126.89,31.11 127,30.85 127.1,30.59 127.19,30.33 127.27,30.06 127.35,29.79 127.42,29.52 127.48,29.25 127.54,28.98 127.59,28.7 127.62,28.43 127.66,28.15 127.68,27.87 127.69,27.59 127.7,27.31 127.7,27.02 arc(127.94,25.81) S27.1 ; S45.1 v1(200.64,81.75) S47.1 ; S45.1 S48.1 ; S45.1 200.64,45.14 arc(199.87,43.27) 198,42.5 179,42.5 arc(175.01,41.71) 171.63,39.45 S55.1 ; S45.1 S46.1
P011: length 281.9
  Top w0.25: v1(95.36,64) v1(93.91,64) ; v1(76.36,67) v1(74.91,67) ; v1(112.91,64) v1(114.36,64) ; v1(218.91,68) v1(220.36,68) ; v1(258.36,61) v1(256.91,61) ; v1(55.91,66.5) v1(57.36,66.5) ; v1(180.91,64.5) v1(182.36,64.5) ; v1(17.91,61) v1(19.36,61) ; v1(239.36,62.5) v1(237.91,62.5) ; v1(36.91,63.5) v1(38.36,63.5) ; v1(199.91,66.5) v1(201.36,66.5)
  Bottom w0.25: v1(258.36,61) 258.36,60.85 D30.1 ; D2.1 17.55,60.85 arc(17.75,60.89) v1(17.91,61) ; v1(55.91,66.5) 43.57,66.5 arc(42.72,66.33) D10.1 40.56,64.41 arc(39.55,63.74) v1(38.36,63.5) ; v1(112.91,64) 112.76,63.85 D22.1 95.72,63.85 arc(95.53,63.89) v1(95.36,64) ; v1(76.36,67) 77.22,67 77.31,67 77.5,66.99 77.68,66.97 77.86,66.95 78.03,66.92 78.21,66.87 78.39,66.82 78.56,66.77 78.73,66.7 78.89,66.63 79.05,66.55 79.21,66.46 79.37,66.36 79.52,66.26 79.66,66.15 79.8,66.04 79.94,65.91 D18.1 arc(82.05,64.48) 84.47,64 v1(93.91,64) ; D46.1 185.62,65.85 ; D46.1 arc(184.5,64.85) 182.74,64.5 v1(182.36,64.5) ; D46.1 arc(186.72,66.33) 187.57,66.5 v1(199.91,66.5) ; v1(114.36,64) 114.5,64 arc(115.56,64.44) 116,65.5 116,79 arc(116.44,80.06) 117.5,80.5 125,80.5 arc(126.77,81.23) 127.5,83 127.5,87 arc(127.89,87.95) 128.84,88.34 MCU1.22 ; v1(237.91,62.5) 232.09,62.5 arc(227.71,63.37) D38.1 ; v1(239.36,62.5) 239.61,62.26 arc(241.16,61.22) D34.1 256.55,60.85 arc(256.75,60.89) v1(256.91,61) ; 224.44,65.44 222.94,66.93 arc(221.76,67.72) v1(220.36,68) ; MCU2.22 163.66,88.34 arc(164.61,87.95) 165,87 165,65 arc(165.34,64.19) 166.15,63.85 D50.1 179.34,63.85 arc(180.19,64.02) v1(180.91,64.5) ; v1(19.36,61) arc(19.53,60.89) 19.72,60.85 D6.1 30.51,60.85 arc(33.98,61.54) v1(36.91,63.5) ; v1(218.91,68) arc(217.97,68.63) 216.86,68.85 D42.1 203.56,67.41 arc(202.55,66.74) v1(201.36,66.5) ; v1(57.36,66.5) arc(58.55,66.74) 59.56,67.41 D14.1 70.45,68.85 arc(72.86,68.37) v1(74.91,67)
P017: length 62.4
  Top w0.25: v1(122.5,97.78) v1(122.5,99.22) ; v1(122.5,83) 122.5,79.4 arc(122.49,79.34) niceView1.4 arc(122.49,79.31) 122.5,79.34
  Bottom w0.25: v1(122.5,83) v1(122.5,97.78) ; MCU1.17 124.32,101.04 arc(123.03,100.51) v1(122.5,99.22) ; MCU2.17 154.04,101.04 arc(152.92,100.58) 152.46,99.46 niceView2.4
P020: length 62.7
  Top w0.25: niceView1.5 119.92,82.81 arc(119.94,82.91) v1(120,83) arc(119.94,82.98) 119.92,82.92 ; v1(150,96.69) 150,97 arc(150.44,98.06) 151.5,98.5 MCU2.18 ; 149.94,79.3 niceView2.5 arc(149.98,79.32) 150,79.38 v1(150,90.16)
  Bottom w0.25: v1(120,83) 120,97 arc(120.44,98.06) 121.5,98.5 MCU1.18 ; v1(150,96.69) v1(150,90.16) ; 150,79.38 niceView2.5
P024: length 273.9
  Top w0.25: v1(36.91,101) v1(38.36,101) ; v1(112.91,101.5) v1(114.36,101.5) ; v1(220.36,104.5) v1(218.91,104.5) ; v1(258.36,99) v1(256.91,99) ; v1(17.91,99) v1(19.36,99) ; v1(95.36,102) v1(93.91,102) ; v1(55.91,105.5) v1(57.36,105.5) ; v1(239.36,100.5) v1(237.91,100.5) ; v1(180.91,102) v1(182.36,102) ; v1(201.36,105.5) v1(199.91,105.5) ; v1(76.36,104) v1(74.91,104)
  Bottom w0.25: D36.1 242.91,98.85 ; D36.1 arc(241.16,99.22) 239.61,100.26 v1(239.36,100.5) ; D36.1 arc(243.17,98.96) 243.36,99 v1(256.91,99) ; D4.1 17.55,98.85 arc(17.75,98.89) v1(17.91,99) ; MCU1.20 127.92,93.42 arc(126.92,93) 126.5,92 126.5,83 arc(126.06,81.94) 125,81.5 116.5,81.5 arc(115.97,81.72) 115.76,82.25 115.76,100.11 arc(115.35,101.09) v1(114.36,101.5) ; D32.1 258.36,98.85 v1(258.36,99) ; v1(57.36,105.5) 57.74,105.5 arc(59.5,105.85) D16.1 68.03,106.85 arc(71.76,106.11) v1(74.91,104) 74.62,104 ; D40.1 224.01,103.85 224.18,103.68 ; D40.1 arc(227.71,101.37) 232.09,100.5 v1(237.91,100.5) ; D40.1 arc(223.28,104.33) 222.43,104.5 v1(220.36,104.5) ; v1(199.91,105.5) 189.98,105.5 arc(187.83,105.07) D48.1 185.41,103.26 arc(184.01,102.33) v1(182.36,102) ; v1(201.36,105.5) 201.74,105.5 arc(203.5,105.85) D44.1 ; D44.1 204.62,106.85 ; D44.1 205.03,106.85 213.24,106.85 arc(216.31,106.24) v1(218.91,104.5) ; v1(38.36,101) 38.39,101 arc(39.09,101.14) 39.69,101.54 D12.1 arc(43.83,105.07) 45.98,105.5 v1(55.91,105.5) ; 163.17,93.42 MCU2.20 162.92,93.42 arc(164.39,94.03) 165,95.5 165,100.23 arc(165.48,101.37) 166.62,101.85 D52.1 180.55,101.85 arc(180.75,101.89) v1(180.91,102) ; v1(93.91,102) 84.47,102 arc(82.05,102.48) D20.1 76.72,103.85 arc(76.53,103.89) v1(76.36,104) ; v1(112.91,101.5) arc(112.52,101.76) 112.07,101.85 D24.1 95.72,101.85 arc(95.53,101.89) v1(95.36,102) ; v1(19.36,99) arc(19.53,98.89) 19.72,98.85 D8.1 31.72,98.85 arc(34.53,99.41) v1(36.91,101)
P100: length 252.2
  Top w0.25: v1(114.36,80) v1(112.91,80) ; v1(237.91,82) v1(239.36,82) ; v1(36.91,82.5) v1(38.36,82.5) ; v1(76.36,85.5) v1(74.91,85.5) ; v1(95.36,83.5) v1(93.91,83.5) ; v1(17.91,80) v1(19.36,80) ; v1(55.91,86.5) v1(57.36,86.5) ; v1(199.91,86.5) v1(201.36,86.5) ; v1(180.91,83) v1(182.36,83) ; v1(220.36,85.5) v1(218.91,85.5) ; v1(258.36,80) v1(256.91,80)
  Bottom w0.25: 99.18,82.68 99.01,82.85 D23.1 ; v1(201.36,86.5) 201.74,86.5 arc(203.5,86.85) D43.1 213.24,87.85 arc(216.31,87.24) v1(218.91,85.5) ; 224.18,84.68 224.01,84.85 arc(224,84.85) D39.1 ; MCU2.21 164.79,88.71 arc(165.32,87.92) 165.5,87 165.5,84 arc(165.84,83.19) 166.65,82.85 D51.1 180.55,82.85 arc(180.75,82.89) v1(180.91,83) ; v1(57.36,86.5) 57.74,86.5 arc(59.5,86.85) D15.1 69.24,87.85 arc(72.31,87.24) v1(74.91,85.5) ; 257.19,79.96 257.19,80 v1(256.91,80) ; D19.1 80,84.85 79.92,84.92 ; D19.1 arc(79.28,85.33) 78.43,85.5 v1(76.36,85.5) ; D19.1 arc(81.5,83.85) 83.26,83.5 v1(93.91,83.5) ; v1(95.36,83.5) 97.43,83.5 arc(98.28,83.33) D23.1 ; 114.56,80.2 v1(114.36,80) arc(115.47,80.74) 116.78,81 125,81 arc(126.41,81.59) 127,83 127,89.5 arc(127.4,90.48) 128.38,90.88 MCU1.21 ; v1(199.91,86.5) 189.95,86.5 arc(187.83,86.08) 186.02,84.87 D47.1 185.41,84.26 arc(184.01,83.33) v1(182.36,83) ; D23.1 arc(102.16,80.74) 105.88,80 v1(112.91,80) ; v1(237.91,82) 230.88,82 arc(227.16,82.74) D39.1 ; D31.1 258.72,79.85 arc(258.53,79.89) v1(258.36,80) ; v1(220.36,85.5) 222.43,85.5 arc(223.28,85.33) D39.1 ; 239.39,82 v1(239.36,82) 240.46,80.9 arc(241.63,80.12) D35.1 256.66,79.85 256.68,79.85 256.74,79.84 256.8,79.83 256.85,79.8 256.9,79.78 256.93,79.78 arc(256.94,79.78) 256.95,79.78 arc(257.02,79.8) 257.08,79.85 ; v1(17.91,80) 17.89,79.98 arc(17.73,79.88) 17.55,79.85 D3.1 ; v1(19.36,80) 19.38,79.98 arc(19.54,79.88) 19.72,79.85 D7.1 30.51,79.85 arc(33.98,80.54) v1(36.91,82.5) ; v1(55.91,86.5) 45.98,86.5 45.88,86.5 45.67,86.49 45.46,86.48 45.25,86.45 45.04,86.42 44.83,86.38 44.63,86.33 44.42,86.28 44.22,86.22 44.02,86.15 43.83,86.07 43.63,85.99 43.44,85.9 43.26,85.8 43.08,85.69 42.9,85.58 42.72,85.46 42.55,85.34 42.39,85.2 42.23,85.07 42.07,84.92 D11.1 40.56,83.41 arc(39.55,82.74) v1(38.36,82.5)
P104: length 313.8
  Top w0.25: v1(220.36,48.5) v1(218.91,48.5) ; v1(55.91,48.5) v1(57.36,48.5) ; v1(239.36,43.25) v1(237.91,43.25) ; v1(93.91,47) v1(95.36,47) ; v1(201.36,48.5) v1(199.91,48.5) ; v1(76.5,47) v1(74.91,47)
  Bottom w0.25: v1(201.36,48.5) 201.74,48.5 arc(203.5,48.85) D41.1 215.65,49.85 arc(217.42,49.5) v1(218.91,48.5) ; D33.1 242.97,41.85 ; D33.1 242.74,41.85 arc(240.91,42.21) v1(239.36,43.25) ; D33.1 D29.1 ; v1(95.36,47) 96.46,45.9 arc(97.63,45.12) D21.1 113.85,44.85 arc(115.02,45.33) 115.5,46.5 115.5,62.5 arc(115.63,63.15) 116,63.71 arc(116.37,64.26) 116.5,64.91 116.5,75.5 arc(117.09,76.91) 118.5,77.5 131,77.5 arc(131.71,77.79) 132,78.5 132,80.79 arc(131.87,81.45) 131.5,82 arc(131.13,82.56) 131,83.22 131,83.85 131,83.86 131,83.99 ; v1(55.91,48.5) 45.98,48.5 arc(43.83,48.07) D9.1 arc(36.46,43.15) 29.93,41.85 D5.1 D1.1 ; 131,83.99 131.01,84.02 131.02,84.07 131.03,84.1 131.05,84.14 131.06,84.18 131.08,84.21 131.1,84.25 131.12,84.28 131.14,84.31 131.17,84.35 131.2,84.38 131.22,84.4 MCU1.23 ; 131,83.99 131,83.97 131,83.95 131,83.94 ; v1(220.36,48.5) 220.61,48.26 arc(222.44,47.89) D37.1 arc(227.99,44.19) 232.69,43.25 v1(237.91,43.25) ; v1(199.91,48.5) 189.98,48.5 arc(187.83,48.07) D45.1 arc(183.78,45.37) 181.17,44.85 D49.1 166.15,44.85 arc(165.34,45.19) 165,46 165,59.9 arc(164.94,60.22) 164.75,60.5 arc(164.56,60.78) 164.5,61.1 164.5,84.5 arc(164.12,85.42) 163.2,85.8 MCU2.23 ; v1(76.5,47) 76.41,46.91 arc(76.34,46.86) 76.27,46.85 D17.1 93.55,46.85 arc(93.75,46.89) v1(93.91,47) ; v1(57.36,48.5) 57.74,48.5 arc(59.5,48.85) D13.1 68.03,49.85 arc(71.76,49.11) v1(74.91,47)
P106: length 248.5
  Top w0.25: v1(116,42.5) 114.33,40.83 arc(114.12,40.69) v1(113.86,40.64)
  Bottom w0.25: D25.1 88.21,27.85 arc(89.53,27.59) D26.1 arc(94.28,24.42) 98.55,23.57 D27.1 arc(111.01,23.6) 111,23.64 111,35 arc(111.51,37.56) 112.96,39.74 v1(113.86,40.64) ; MCU2.24 163.38,82.5 arc(163.84,81.81) 164,81 164,60.85 arc(164.06,60.53) 164.25,60.25 arc(164.44,59.97) 164.5,59.65 164.5,46.5 arc(164.06,45.44) 163,45 148.15,45 D56.1 148,28 arc(148.21,26.97) 148.79,26.1 153.83,17.36 arc(154.71,16.77) 155.75,16.57 D55.1 159.77,16.57 arc(168.46,18.29) D54.1 arc(180.96,26.65) 187.01,27.85 D53.1 ; MCU1.24 132.62,78.62 arc(132.15,77.47) 131,77 118.5,77 arc(117.44,76.56) 117,75.5 117,64.71 arc(116.87,64.05) 116.5,63.5 arc(116.13,62.95) 116,62.29 116,46.85 arc(116.59,45.44) D28.1 arc(117.94,44.53) 117.75,44.25 v1(116,42.5)
P111: length 424.9
  Top w0.25: 192.5,83 218.64,83 arc(219.34,82.71) v1(219.64,82) ; MCU2.10 148.99,86.73 arc(149.37,86.17) 149.5,85.5 149.5,82.51 arc(149.38,81.92) 149.05,81.41 arc(148.64,80.81) 148.5,80.09 148.5,79 arc(148.79,78.29) 149.5,78 171.59,78 arc(172.89,78.26) 174,79 arc(175.11,79.74) 176.41,80 185.38,80 arc(187.34,80.39) 189,81.5 arc(190.66,82.61) 192.62,83 ; MCU1.10 115.34,88.34 arc(114.39,87.95) 114,87 114,84 arc(113.12,81.88) 111,81 76.64,81 arc(75.93,80.71) v1(75.64,80)
  Bottom w0.25: S13.1 S16.1 ; S13.1 S14.1 ; S13.1 75.64,46.86 arc(76.92,43.78) 80,42.5 91.38,42.5 arc(93.34,42.11) 95,41 arc(97.22,39.52) 99.83,39 102.5,39 arc(105.93,37.58) 107.34,34.16 S26.1 arc(107.28,32.9) 107.09,33.18 ; S13.1 v1(75.64,80) S15.1 ; S54.1 190.99,40.1 arc(193.1,41.51) 195.58,42 215,42 arc(218.28,43.36) 219.64,46.64 S41.1 ; S41.1 v1(219.64,82) S43.1 S44.1 ; S41.1 S42.1
P113: length 396.4
  Top w0.25: MCU2.9 158.12,90.88 arc(159.1,90.48) 159.5,89.5 159.5,83 arc(160.23,81.23) 162,80.5 184.88,80.5 arc(186.84,80.89) 188.5,82 arc(190.16,83.11) 192.12,83.5 225.5,83.5 arc(227.81,83.04) 229.77,81.73 231.46,80.05 231.48,80.02 arc(233.44,78.71) 235.75,78.25 237.89,78.25 arc(238.42,78.03) v1(238.64,77.5) ; MCU1.9 114.88,90.88 arc(113.9,90.48) 113.5,89.5 113.5,84 arc(112.77,82.23) 111,81.5 78.91,81.5 arc(77.61,81.76) 76.5,82.5 arc(75.39,83.24) 74.09,83.5 72,83.5 72,83.5 57.64,83.5 arc(56.93,83.21) v1(56.64,82.5)
  Bottom w0.25: S11.1 S12.1 v1(56.64,82.5) S10.1 S9.1 56.64,44.86 arc(57.48,42.84) 59.5,42 59.58,42.07 76.64,42.07 76.77,42.07 77.03,42.07 77.29,42.05 77.54,42.03 77.8,42 78.05,41.96 78.31,41.91 78.56,41.86 78.81,41.8 79.06,41.73 79.3,41.65 79.55,41.57 79.79,41.47 80.03,41.38 80.26,41.27 80.49,41.16 80.72,41.04 80.95,40.91 81.17,40.78 81.38,40.64 81.6,40.49 81.8,40.34 82.01,40.18 82.2,40.01 82.4,39.84 82.59,39.67 82.68,39.57 84.14,38.11 arc(84.6,37.81) S25.1 ; 210.28,37.85 S53.1 arc(210.91,37.18) 211.83,37 236.25,37 arc(237.94,37.7) 238.64,39.39 S37.1 S38.1 v1(238.64,77.5) S39.1 S40.1
P115: length 388.9
  Top w0.25: MCU1.8 114.42,93.42 arc(113.42,93) 113,92 113,84 arc(112.41,82.59) 111,82 79.41,82 arc(78.11,82.26) 77,83 arc(75.89,83.74) 74.59,84 49.2,84 arc(47.29,83.62) 45.68,82.54 arc(45.68,82.53) 45.67,82.52 43.72,80.57 43.22,80.09 arc(41.46,78.91) 39.38,78.5 38.5,78.5 arc(37.89,78.25) 37.64,77.64 v1(37.64,77) ; MCU2.8 158.58,93.42 158.63,93.42 158.73,93.41 158.83,93.4 158.93,93.38 159.03,93.35 159.12,93.31 159.22,93.27 159.3,93.22 159.39,93.17 159.47,93.11 159.55,93.04 159.62,92.97 159.69,92.89 159.75,92.81 159.8,92.72 159.85,92.64 159.89,92.54 159.93,92.45 159.96,92.35 159.98,92.25 159.99,92.15 160,92.05 160,92 160,83 160,82.94 160.01,82.82 160.02,82.7 160.04,82.58 160.07,82.46 160.11,82.35 160.15,82.23 160.2,82.12 160.26,82.02 160.32,81.91 160.39,81.81 160.46,81.72 160.54,81.63 160.63,81.54 160.72,81.46 160.81,81.39 160.91,81.32 161.02,81.26 161.12,81.2 161.23,81.15 161.35,81.11 161.46,81.07 161.58,81.04 161.7,81.02 161.82,81.01 161.94,81 162,81 184.38,81 arc(186.34,81.39) 188,82.5 arc(189.66,83.61) 191.62,84 225.75,84 arc(228.06,83.54) 230.02,82.23 231.73,80.52 arc(233.69,79.21) 236,78.75 256.89,78.75 arc(257.42,78.53) v1(257.64,78)
  Bottom w0.25: S33.1 257.64,54.67 arc(257.6,54.85) 257.5,55 arc(257,56.5) 257.5,58 arc(257.6,58.15) 257.64,58.33 S34.1 v1(257.64,78) S35.1 257.64,92.67 arc(257.6,92.85) 257.5,93 arc(257,94.5) 257.5,96 arc(257.6,96.15) 257.64,96.33 S36.1 ; S5.1 S8.1 ; S5.1 v1(37.64,77) S7.1 ; S5.1 S6.1
pinky_bottom: length 8
  Bottom w0.25: D6.2 23,68.33 arc(22.98,68.45) S6.2 22.92,68.74 arc(23.24,70.37) S6.2
pinky_home: length 8
  Bottom w0.25: D7.2 23,87.33 arc(22.98,87.45) S7.2 22.92,87.74 arc(23.24,89.37) S7.2
pinky_mod: length 8
  Bottom w0.25: D5.2 23,49.33 arc(22.98,49.45) S5.2 22.92,49.74 arc(23.24,51.37) S5.2
pinky_top: length 8
  Bottom w0.25: D8.2 23,106.33 arc(22.98,106.45) S8.2 22.92,106.74 arc(23.24,108.37) S8.2
pos: length 29.3
  Bottom w0.25: T2.2 150.25,63.75 arc(152.9,64.85) 154,67.5 JST4.1 arc(153.54,73.09) 153.15,73.35 151.68,74.82 arc(151.48,74.95) JST3.2 ; JST2.1 127.47,73.53 arc(128.06,73.14) JST1.2 128.75,67.93 arc(129.53,66.03) T1.1
RAW: length 120.9
  Top w0.25: v1(131,63.5) 131,73.46 arc(131.65,76.73) 133.5,79.5 arc(134.61,81.16) 135,83.12 135,112.5 arc(134.56,113.56) 133.5,114 118.5,114 arc(117.79,113.71) 117.5,113 117.5,111.32 arc(117.46,111.24) MCU1.1 ; MCU2.1 arc(145.7,110.5) 145,108.82 145,81 arc(145.46,78.69) 146.77,76.73 147.69,75.81 arc(148.47,74.64) 148.75,73.25 148.75,66.74 arc(148.72,66.61) v1(148.65,66.5)
  Bottom w0.25: v1(148.65,66.5) 148.65,65.43 arc(148.63,65.33) T2.3 148.58,65.47 ; T1.2 131.43,62.47 arc(131.31,63.03) v1(131,63.5)
ring_bottom: length 8
  Bottom w0.25: D10.2 42,73.33 arc(41.98,73.45) S10.2 41.92,73.74 arc(42.24,75.37) S10.2
ring_home: length 8
  Bottom w0.25: D11.2 42,92.33 arc(41.98,92.45) S11.2 41.92,92.74 arc(42.24,94.37) S11.2
ring_mod: length 8
  Bottom w0.25: D9.2 42,54.33 arc(41.98,54.45) S9.2 41.92,54.74 arc(42.24,56.37) S9.2
ring_top: length 8
  Bottom w0.25: D12.2 42,111.33 arc(41.98,111.45) S12.2 41.92,111.74 arc(42.24,113.37) S12.2
RST: length 102.1
  Bottom w0.25: B2.2 147.32,74.59 147.28,74.55 147.26,74.52 147.22,74.48 147.2,74.44 147.17,74.4 147.15,74.36 147.14,74.34 147.13,74.32 147.12,74.3 ; B2.2 147.35,76.45 arc(147.13,77.56) 146.5,78.5 arc(145.76,79.61) 145.5,80.91 145.5,104.24 arc(146.05,105.57) MCU2.3 ; B2.2 arc(147.09,74.24) 147,73.78 147,70.22 arc(147.09,69.76) B2.2 ; B1.2 132.68,69.4 132.7,69.43 132.73,69.46 132.75,69.49 132.77,69.53 132.79,69.56 132.81,69.6 132.82,69.63 132.84,69.67 132.85,69.7 132.86,69.75 132.87,69.78 132.87,69.8 132.87,69.84 132.87,74.08 arc(132.82,74.38) B1.2 132.65,74.95 arc(132.87,76.06) 133.5,77 arc(134.24,78.11) 134.5,79.41 134.5,111.5 arc(134.06,112.56) 133,113 131.39,113 arc(129.64,112.65) 128.16,111.66 123.5,107 arc(122.53,106.35) 121.38,106.12 MCU1.3
top_thumb: length 8
  Bottom w0.25: D28.2 118,52.33 arc(117.98,52.45) S28.2 117.92,52.74 arc(118.24,54.37) S28.2

## Copper pours and planes (outline as drawn; the poured copper is in the pictures)
GND on Top: -14,147 -14,-3 291,-3 291,147
GND on Bottom: -14,152 291,152 291,-8.9 -14,-8.9
